# Allegro board RV1126B_mainboard.brd (continued)
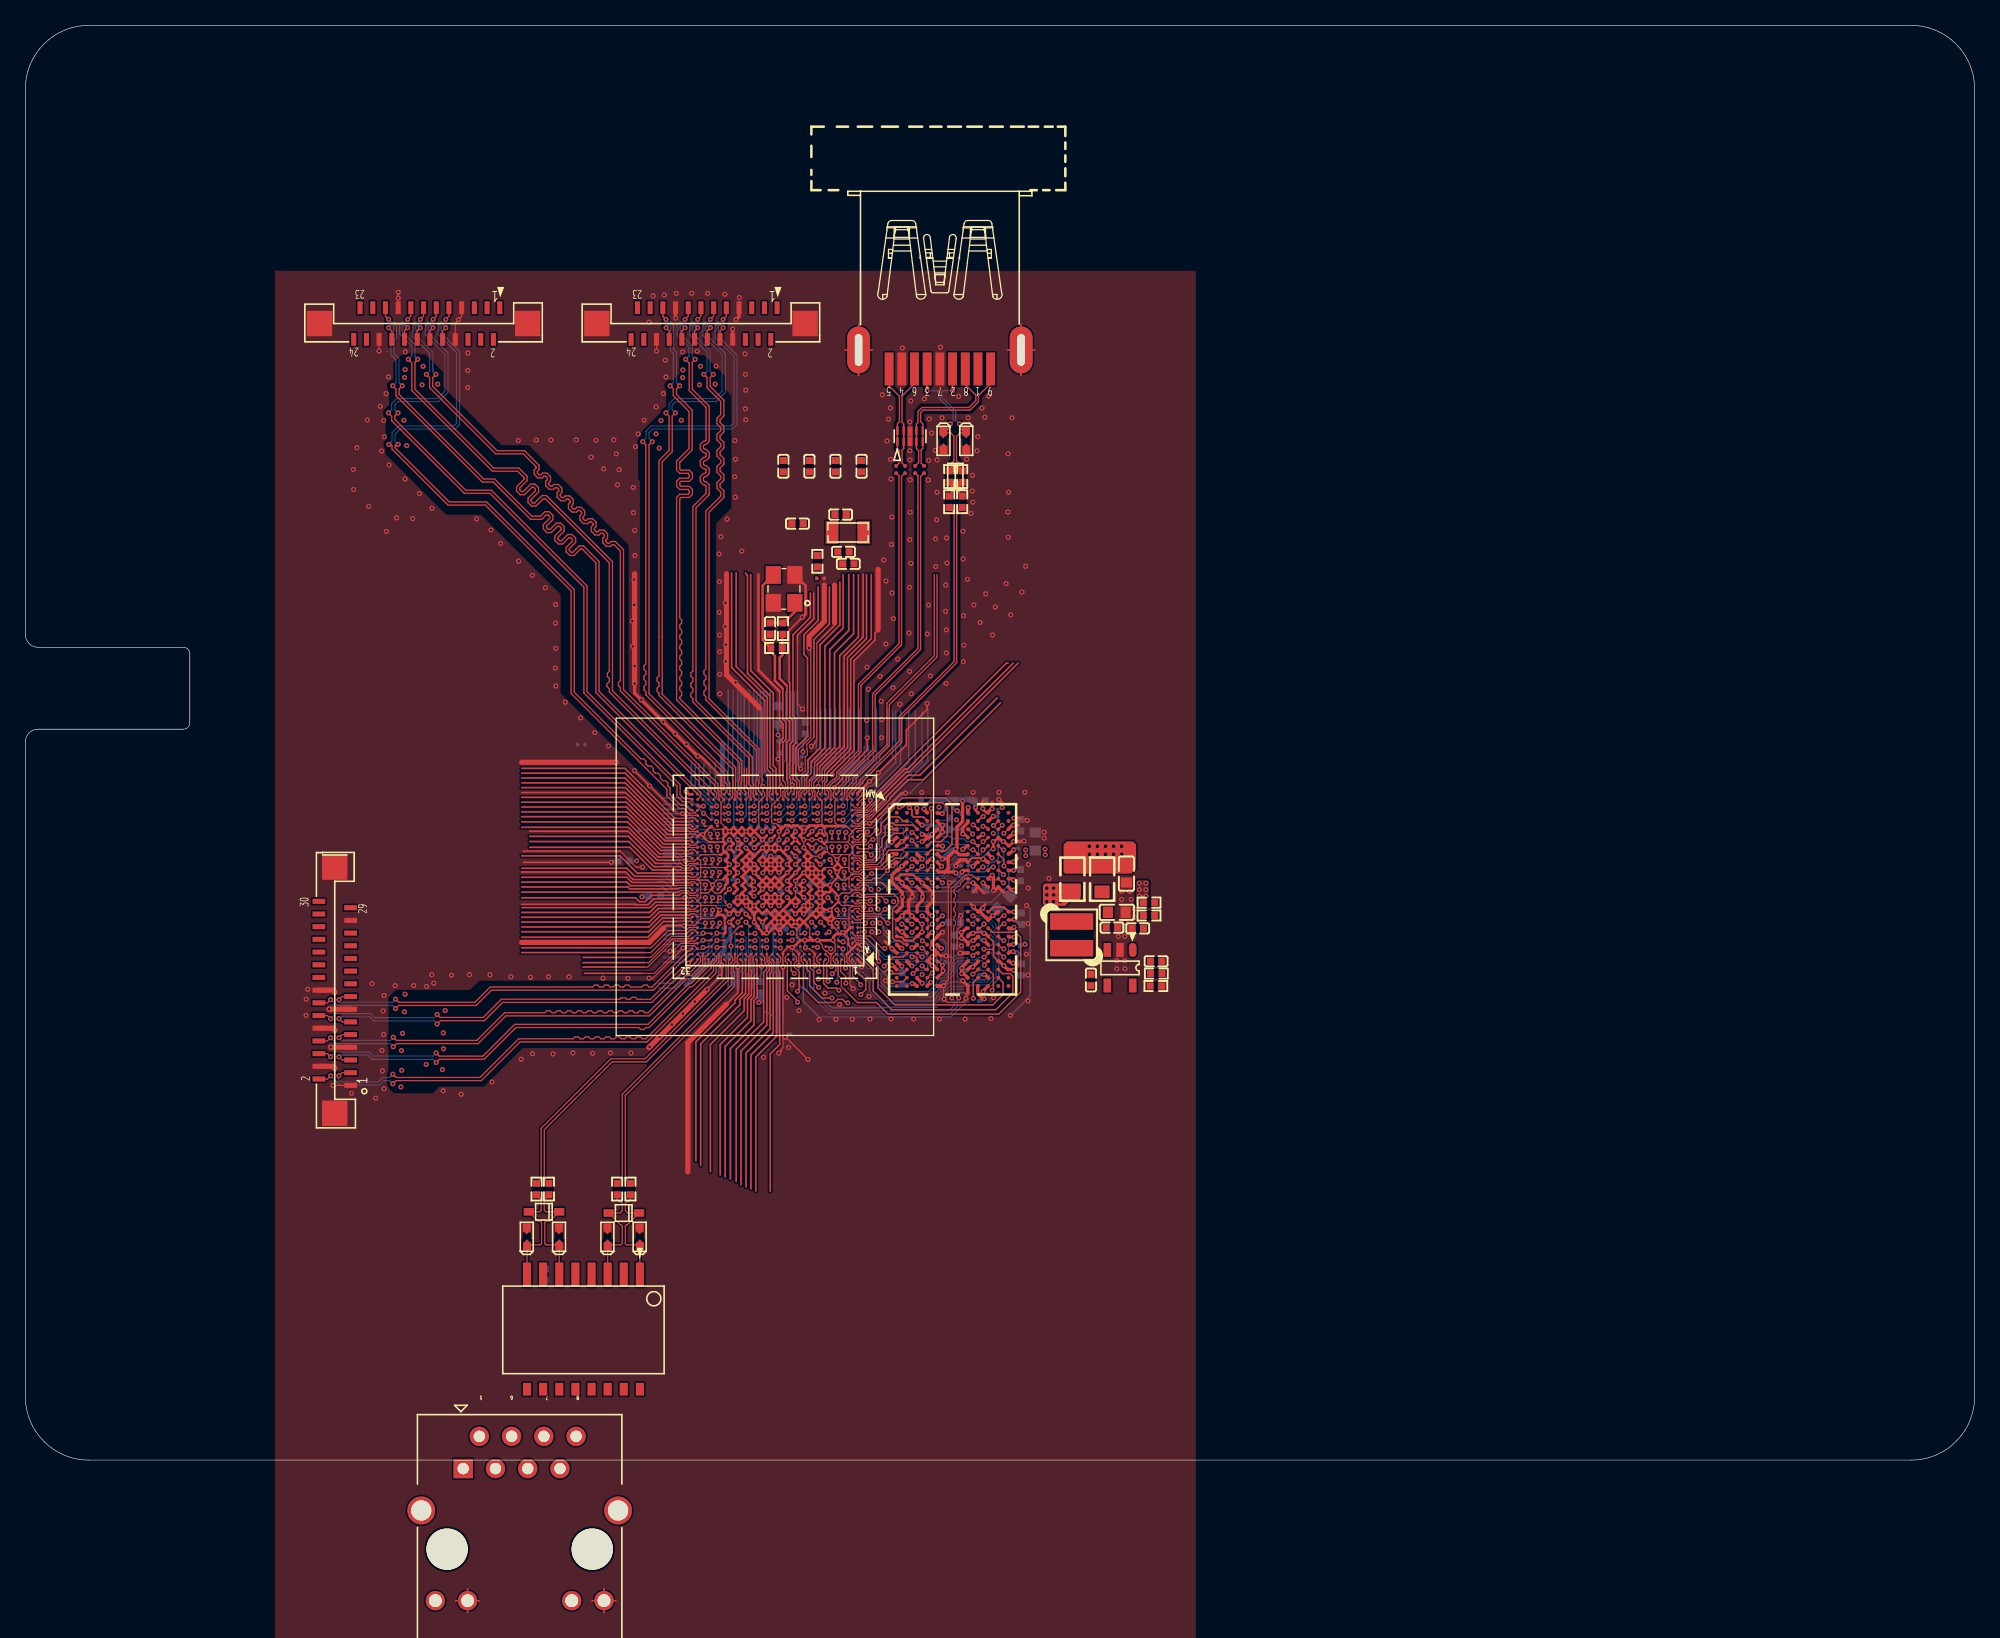
[diagram p0: board, top side]
## Routing (per net, layer and track width the routed paths; a pad name or vN(x,y) marks a point on that pad's centre or on a via; arc(x,y) is an arc through that point) (continued)
GMAC_TXD2_M1/LCDC_D21: length 4.1
  TOP w0.089: U1000.1D23 53.56,42 53.56,42.31 v1(53.55,42.32)
  BOTTOM w0.127: 50.26,41.39 52.04,41.39 52.97,42.32 v1(53.55,42.32)
GMAC_TXD3_M1/LCDC_D0: length 14.2
  TOP w0.089: 52.22,45.49 52.32,45.49 52.4,45.57 52.69,45.57 52.93,45.33 U1000.R31
  TOP w0.127: 39.08,45.92 47.36,45.92 47.77,45.52 52.19,45.52 52.22,45.49
GMAC_TXEN_M1/LCDC_D18: length 3.9
  TOP w0.089: v1(53.55,43.34) 53.55,43.33 53.52,43.3 U1000.1F23
  BOTTOM w0.089: 51.53,42.78 51.78,42.78 52.34,43.34 v1(53.55,43.34)
  BOTTOM w0.127: 51.53,42.78 50.26,42.78
GSENSOR_INT_H/LCDC_D5: length 13.6
  TOP w0.089: U1000.M32 52.41,43.97 52.22,43.97
  TOP w0.127: 39.08,43.53 49.19,43.53 49.62,43.97 52.22,43.97
HOST_WAKE_BT: length 19
  TOP w0.089: 59.15,38.34 59.15,38.44 59.13,38.46 59.13,39.21 59.23,39.31 U1000.A16
  TOP w0.127: 59.15,38.34 59.15,33.39 57.52,31.76 57.52,21.21
HOST_WAKE_WIFI: length 6.7
  TOP w0.089: v1(63.38,50.96) 63.38,50.96 U1000.1AB4
  BOTTOM w0.089: 64.58,53.23 64.55,53.2 64.55,52.76 63.74,51.94 63.74,51.32 v1(63.38,50.96)
  BOTTOM w0.114: 64.65,53.37 64.65,53.3 64.58,53.23
  BOTTOM w0.127: 66.05,56.25 66.05,55.15 64.65,53.75 64.65,53.37
I2C0_SCL_PMIC: length 10.9
  TOP w0.089: v1(59.38,50.4) 59.32,50.46 U1000.1AA12
  BOTTOM w0.089: 60.04,53.58 60.04,51.06 v1(59.38,50.4)
  BOTTOM w0.127: 60.27,60.56 60.27,55 60.04,54.77 60.04,53.58
I2C0_SDA_PMIC: length 10.3
  TOP w0.089: U1000.1AB12 59.38,50.96 v1(59.38,50.96)
  BOTTOM w0.089: 59.66,53.58 59.85,53.39 59.85,52.82 59.76,52.73 59.76,51.32 59.41,50.96 v1(59.38,50.96)
  BOTTOM w0.127: 59.89,60.56 59.89,55.17 59.66,54.94 59.66,53.58
I2C2_SCL_SENSOR: length 10.2
  TOP w0.089: U1000.1AA8 61.32,50.46 v1(61.38,50.4)
  BOTTOM w0.089: 62.7,53.45 62.77,53.38 62.77,52.89 61.94,52.05 61.94,50.96 v1(61.38,50.4)
  BOTTOM w0.127: 63.8,59.17 63.8,55.35 62.7,54.26 62.7,53.45
I2C2_SDA_SENSOR: length 8.8
  TOP w0.127: v1(62.38,51.53) 62.31,51.46 U1000.1AC6
  BOTTOM w0.089: v1(62.38,51.53) 62.38,51.98 62.95,52.55 62.95,53.46 63.07,53.58
  BOTTOM w0.127: 64.18,59.17 64.18,55.19 63.09,54.1 63.09,53.59 63.07,53.58
I2C3_SCL_CAM: length 4.6
  TOP w0.089: v1(53.93,49.32) 53.93,49.05 U1000.1V22
  BOTTOM w0.089: v1(53.93,49.32) 53.57,49.68 53.09,49.68 52.93,49.85
  BOTTOM w0.127: 50.26,50.55 52.22,50.55 52.93,49.85
I2C3_SDA_CAM: length 15
  TOP w0.089: 52.22,50.06 52.4,50.06 U1000.AF32
  TOP w0.127: 52.22,50.06 50.89,50.06 47.21,53.75 39.08,53.75
I2C5_SCL_M0/LCDC_D1: length 13.6
  TOP w0.089: U1000.R32 52.46,45.28 51.32,45.28 51.3,45.26
  TOP w0.127: 51.3,45.26 47.65,45.26 47.37,45.54 39.08,45.54
I2C5_SDA_M0/LCDC_D7: length 14.3
  TOP w0.089: 52.22,43.46 52.27,43.46 52.32,43.41 52.69,43.41 U1000.L31
  TOP w0.127: 39.08,42.77 49.15,42.77 49.84,43.46 52.22,43.46
I2S0_LRCK/DSM_AUD_LN: length 5
  TOP w0.089: U1000.1AB22 54.02,50.96 54.05,50.94 54.41,50.94 v1(54.43,50.96)
  BOTTOM w0.089: 54.08,51.71 54.09,51.7 54.09,51.39 54.43,51.05 v1(54.43,50.96)
  BOTTOM w0.127: 54.08,51.71 52.75,53.05 52.75,54.85
I2S0_MCLK: length 11.2
  TOP w0.089: U1000.1AA16 57.08,50.4 v1(57.38,50.4)
  BOTTOM w0.127: 57.37,60.69 57.37,53.2 58.01,52.56 58.01,51.03 v1(57.38,50.4)
I2S0_SCLK_TX: length 5.8
  TOP w0.089: v1(54.43,50.31) 54.43,50.3 54.43,50.3 54.43,50.05 U1000.1Y21
  BOTTOM w0.089: v1(54.43,50.31) 54.06,50.68 54.06,51.16 53.91,51.31 53.91,51.56 53.84,51.62
  BOTTOM w0.127: 53.84,51.62 52.44,53.02 52.44,54.85
I2S0_SDI0: length 10.6
  TOP w0.089: U1000.1AB16 57.02,50.96 57.03,50.96 v1(57.38,50.96)
  BOTTOM w0.127: v1(57.38,50.96) 57.41,50.96 57.75,51.3 57.75,52.44 56.99,53.2 56.99,60.69
I2S0_SDI1/DSM_AUD_RP: length 9.7
  TOP w0.089: v1(58.38,51.53) 58.31,51.46 U1000.1AC14
  BOTTOM w0.089: 58.13,53.58 58.42,53.29 58.42,51.61 58.38,51.56 v1(58.38,51.53)
  BOTTOM w0.127: 58.13,53.58 57.88,53.83 57.88,60.56
I2S0_SDI2/DSM_AUD_RN: length 10.4
  TOP w0.089: v1(58.38,50.96) 58.38,50.96 U1000.1AB14
  BOTTOM w0.089: 58.64,53.58 58.64,51.93 58.77,51.8 58.77,51.35 v1(58.38,50.96)
  BOTTOM w0.127: 58.64,53.58 58.13,54.09 58.13,60.56
I2S0_SDI3: length 11.1
  TOP w0.089: v1(58.38,50.4) 58.07,50.4 U1000.1AA14
  BOTTOM w0.089: v1(58.38,50.4) 59.02,51.04 59.02,51.93 58.89,52.05 58.89,53.58
  BOTTOM w0.127: 58.89,53.58 58.89,53.83 58.39,54.34 58.39,60.56
I2S0_SDO0/DSM_AUD_LP: length 4.3
  TOP w0.089: v1(54.43,51.53) 54.36,51.46 U1000.1AC22
  BOTTOM w0.127: 53.05,54.85 53.05,53.12 54.45,51.72 54.45,51.54 v1(54.43,51.53)
JTAG_TCK/UART2_TX: length 4.3
  TOP w0.089: v1(53.37,40.39) 53.66,40.39 53.73,40.46 U1000.1A22
  BOTTOM w0.089: 52,39.44 52.8,40.24 53.22,40.24 v1(53.37,40.39)
  BOTTOM w0.127: 50.26,39.23 51.78,39.23 52,39.44
JTAG_TMS/UART2_RX: length 4.3
  TOP w0.089: v1(53.37,40.95) 53.66,40.95 53.67,40.96 U1000.1B22
  BOTTOM w0.127: v1(53.37,40.95) 53.2,40.78 52.83,40.78 51.66,39.61 50.26,39.61
LED_PWM_IR: length 9.4
  TOP w0.089: U1000.1AB8 61.04,50.94 61.35,50.94 v1(61.38,50.96)
  BOTTOM w0.089: v1(61.38,50.96) 61.74,51.32 61.74,52.36 62.06,52.68 62.06,53.44
  BOTTOM w0.127: 62.06,53.44 62.35,53.73 62.35,54.41 63.42,55.47 63.42,59.17
LED_PWM_WHITE: length 9.4
  TOP w0.089: U1000.1AB10 60.04,50.94 60.35,50.94 v1(60.38,50.96)
  BOTTOM w0.089: 61.09,53.58 61.09,52.85 60.75,52.51 60.75,51.33 v1(60.38,50.96)
  BOTTOM w0.127: 61.09,53.58 61.09,53.74 61.59,54.24 61.59,55.13 62.3,55.84 62.3,59.17
LOGIC_PWM: length 10.1
  TOP w0.089: U1000.1AA10 60.32,50.46 v1(60.38,50.4)
  BOTTOM w0.089: v1(60.38,50.4) 60.4,50.4 61,51 61,52.38 61.41,52.79 61.41,53.58
  BOTTOM w0.127: 62.65,59.17 62.65,55.69 61.84,54.87 61.84,54.09 61.41,53.66 61.41,53.58
LP4_DM0_A: length 8
  TOP w0.089: U1000.W2 65.35,47.25 65.63,47.25 65.82,47.06 66.25,47.06 66.29,47.1 66.9,47.1 67.28,47.48 67.28,48.19 67.37,48.28
  TOP w0.114: U3300.C3 69.89,50.04 68.5,50.04 68.33,50.2 67.98,50.2 67.71,49.93 67.71,49.25 ; 67.44,48.98 67.44,48.36 67.37,48.28
  TOP w0.127: 67.71,49.25 67.44,48.98
LP4_DM0_B: length 13.5
  TOP w0.089: v1(66.58,43.39) 66.42,43.23 65.88,43.23 65.63,43.47 65.35,43.47 U1000.K2 ; U3300.Y3 v1(69.9,38.33)
  BOTTOM w0.089: 70.88,38.6 70.16,38.6 v1(69.9,38.33)
  BOTTOM w0.102: 71.24,39.32 71.56,39.32 71.77,39.53 71.77,39.84
  BOTTOM w0.114: 71.24,39.32 71.06,39.14 71.06,38.78 70.88,38.6 ; v1(66.58,43.39) 67.02,42.96 68.09,42.96 68.37,43.24 70.88,43.24 71.06,43.06 71.06,41.18 71.77,40.47 71.77,39.84
LP4_DM1_A: length 13.6
  TOP w0.089: U1000.1M1 64.48,46 v1(64.48,46.32)
  TOP w0.114: v1(75.42,49.93) 75.43,49.92 75.61,49.92 U3300.C10
  L6_S2 w0.089: v1(64.48,46.32) 64.71,46.32 65.27,46.87 66.87,46.87 68.03,48.03 72.53,48.03 72.74,48.24 72.74,48.75 73.68,49.69 74.95,49.69 75.19,49.93 v1(75.42,49.93)
LP4_DM1_B: length 16.1
  TOP w0.089: U1000.D2 65.35,40.95 65.63,40.95 65.67,40.92 65.99,40.92 66.34,40.57 66.34,40.17 v1(66.39,40.12)
  TOP w0.114: U3300.Y10 76.23,38.25 76.23,37.13 76.14,37.04 v1(76.14,37.02)
  L6_S2 w0.091: v1(66.39,40.12) 66.95,40.12 67.4,39.66 68.42,39.66 68.76,39.32 69.12,39.32 69.37,39.06 69.37,37.51 70.02,36.87 71.9,36.87 72.05,37.02 72.56,37.02 72.69,37.14 74.97,37.14 75.15,37.32 75.78,37.32 76.09,37.02 v1(76.14,37.02)
LP4_DQ0_A: length 7.2
  TOP w0.089: U1000.Y2 65.71,47.43 65.89,47.24 66.17,47.24 66.22,47.29 66.7,47.29 67.06,47.65 67.06,48.41 67.11,48.46 67.11,48.5
  TOP w0.114: U3300.B2 69.1,50.36 68.78,50.68 67.94,50.68 67.38,50.12 67.38,49.49 67.11,49.22 67.11,48.5
LP4_DQ0_B: length 14.9
  TOP w0.089: v1(67.15,44.05) 67.15,43.93 66.95,43.73 66.38,43.73 66.18,43.92 65.74,43.92 65.65,43.83 65.35,43.83 U1000.M2
  TOP w0.114: v1(68.29,37.68) 69.09,37.68 U3300.AA2
  L6_S2 w0.089: 66.45,38.08 67.11,37.42 68.03,37.42 v1(68.29,37.68) ; 65.36,38.83 64.84,39.35 64.84,42.61 65.37,43.14 65.37,43.8 65.97,44.39 66.8,44.39 v1(67.15,44.05)
  L6_S2 w0.091: 65.36,38.83 66.11,38.08 66.45,38.08
LP4_DQ1_A: length 5.8
  TOP w0.089: 67.65,48.13 67.56,48.04 67.56,47.38 67.1,46.92 66.36,46.92 66.33,46.89 65.65,46.89 U1000.W1
  TOP w0.114: U3300.C2 69.1,49.39 68.39,49.39 67.82,48.82 67.82,48.31 67.65,48.13
LP4_DQ1_B: length 11
  TOP w0.089: U1000.M1 65.58,44.12 66.47,44.12 66.53,44.06 v1(66.54,44.06)
  TOP w0.114: v1(68.17,38.41) 68.22,38.41 68.3,38.33 69.09,38.33 U3300.Y2
  L6_S2 w0.089: v1(66.54,44.06) 66.01,44.06 65.66,43.71 65.66,43.08 65.14,42.56 65.14,40.17 65.92,39.39 ; 66.45,38.86 66.85,38.47 68.12,38.47 v1(68.17,38.41)
  L6_S2 w0.091: 65.92,39.39 66.45,38.86
LP4_DQ2_A: length 5
  TOP w0.089: 67.47,46.91 67.3,46.75 66.44,46.75 66.4,46.71 65.65,46.71 U1000.V1
  TOP w0.114: U3300.E2 69.09,48.08 68.04,48.08 67.84,47.88 67.84,47.28 67.47,46.91
LP4_DQ2_B: length 13.4
  TOP w0.089: v1(67.78,44.05) 67.44,44.39 66.32,44.39 66.26,44.33 65.69,44.33 U1000.N1
  TOP w0.114: v1(67.63,38.92) 68.34,39.63 69.09,39.63 U3300.V2
  L6_S2 w0.089: 66.2,39.67 65.45,40.42 65.45,42.5 65.98,43.04 67.86,43.04 68.06,43.24 68.06,43.77 v1(67.78,44.05) ; 66.45,39.42 66.95,38.92 v1(67.63,38.92)
  L6_S2 w0.091: 66.2,39.67 66.45,39.42
LP4_DQ3_A: length 5
  TOP w0.089: U1000.V2 65.35,46.35 65.63,46.35 65.82,46.53 66.48,46.53 66.51,46.57 67.51,46.57 67.61,46.67
  TOP w0.114: 67.61,46.67 68.17,47.23 68.27,47.23 68.46,47.42 69.08,47.42 U3300.F2
LP4_DQ3_B: length 8.6
  TOP w0.089: 67.76,44.58 66.21,44.58 66.16,44.53 65.83,44.53 65.64,44.73 65.35,44.73 U1000.N2
  TOP w0.114: 67.76,44.58 68.4,44.58 68.72,44.26 68.72,43.85 68.29,43.42 68.29,41.13 68.48,40.94 68.86,40.94 69.15,40.66 69.37,40.66 U3300.U2
LP4_DQ4_A: length 14.4
  TOP w0.089: U1000.AE1 65.6,49.59 65.9,49.59 66.13,49.83 66.7,49.83 67.02,50.15 67.02,50.28
  TOP w0.114: U3300.F4 71.34,48.08 71.95,48.08 72.04,47.99 72.42,47.99 72.97,48.54 72.97,51.67 72.46,52.18 69.06,52.18 68.42,51.55 68.42,51.39 68.13,51.11 67.85,51.11 67.02,50.28
LP4_DQ4_B: length 7.6
  TOP w0.089: U3300.U4 70.74,40.89 70.66,40.89 v1(70.64,40.91) ; U1000.H2 65.16,42.34 66.12,42.34 v1(66.15,42.31)
  BOTTOM w0.114: 68.55,41.51 68.55,42.53 68.37,42.71 66.51,42.71 66.15,42.34 v1(66.15,42.31) ; v1(70.64,40.91) 70.64,40.93 70.36,41.21
  BOTTOM w0.127: 68.55,41.51 68.85,41.21 70.36,41.21
LP4_DQ5_A: length 12.5
  TOP w0.089: U1000.AD1 65.76,49.34 66.16,49.34 v1(66.31,49.49)
  TOP w0.114: U3300.E4 71.35,48.74 72.11,48.74 72.61,49.24 72.61,51.42 72.23,51.8 69.46,51.8 69.11,51.45 v1(68.83,51.45)
  L6_S2 w0.089: v1(66.31,49.49) 67.85,51.04 68.42,51.04 v1(68.83,51.45)
LP4_DQ5_B: length 7.5
  TOP w0.089: v1(67.3,42.31) 66.94,42.68 65.86,42.68 65.75,42.57 65.35,42.57 U1000.J2
  TOP w0.114: U3300.V4 70.65,40.32 70.64,40.32 v1(70.62,40.35)
  BOTTOM w0.114: v1(70.62,40.35) 70.49,40.35 70,40.84 68.2,40.84 67.57,41.47 67.57,42.04 v1(67.3,42.31)
LP4_DQ6_A: length 9.6
  TOP w0.089: v1(67.01,49.65) 66.52,49.16 65.92,49.16 65.63,48.87 65.35,48.87 65.11,49.11 U1000.AD2
  TOP w0.127: U3300.C4 71.34,50.03 v1(71.34,51.34)
  L6_S2 w0.089: 69.45,51.74 69.26,51.55 69.26,51.39 68.52,50.66 68.01,50.66 v1(67.01,49.65) ; 71.02,51.74 71.34,51.42 v1(71.34,51.34)
  L6_S2 w0.091: 71.02,51.74 70.99,51.78 69.49,51.78 69.45,51.74
LP4_DQ6_B: length 12.5
  TOP w0.089: U1000.J1 65.58,42.86 67.34,42.86 67.51,42.69
  TOP w0.114: U3300.Y4 70.89,38.66 70.62,38.93 v1(70.62,38.94)
  TOP w0.127: 67.51,42.69 67.89,42.31 v1(67.92,42.31)
  L6_S2 w0.089: v1(70.62,38.94) 70.36,38.94 69.99,39.3 69.66,39.3 69.4,39.57 68.91,39.57 68.52,39.95 67.57,39.95 67.02,40.5 66.64,40.5 65.75,41.39 65.75,42.42 66.04,42.71 67.48,42.71 67.87,42.31 v1(67.92,42.31)
LP4_DQ7_A: length 7.8
  TOP w0.089: U1000.AC2 65.98,48.69 66.07,48.78 v1(66.07,48.83)
  TOP w0.127: U3300.B4 70.7,50.68 69.94,50.68 69.82,50.81 69.82,51.22 v1(69.61,51.42)
  L6_S2 w0.089: v1(66.07,48.83) 66.18,48.83 66.62,49.26 67.1,49.26 68.12,50.28 68.6,50.28 69.61,51.29 v1(69.61,51.42)
LP4_DQ7_B: length 13
  TOP w0.089: v1(67.71,43.4) 67.67,43.4 67.31,43.04 65.73,43.04 U1000.K1
  TOP w0.114: U3300.AA4 71.39,38.38 v1(71.42,38.38)
  BOTTOM w0.089: 72.1,39.82 72.48,40.2
  BOTTOM w0.114: 72.48,40.2 72.48,40.75 72.23,41.01 71.98,41.01 71.79,41.2 71.79,43.11 71.28,43.62 68.24,43.62 68.02,43.4 v1(67.71,43.4) ; 72.1,39.82 72.1,39.38 71.79,39.06 71.79,38.78 71.42,38.41 v1(71.42,38.38)
LP4_DQ8_A: length 15.8
  TOP w0.089: 67.07,45.51 65.71,45.51 U1000.R1
  TOP w0.114: v1(76.24,50) 76.26,50 U3300.B11 ; 67.07,45.51 67.44,45.51 v1(67.98,44.98)
  BOTTOM w0.114: v1(67.98,44.98) 68.58,44.98 68.74,45.13 73.18,45.13 74.41,46.37 75.56,46.37 75.79,46.59 75.79,46.85 76.04,47.1 76.29,47.1 76.61,47.42 76.61,49.58 76.24,49.95 v1(76.24,50)
LP4_DQ8_B: length 16.1
  TOP w0.114: U3300.AA11 76.99,37.64 76.99,36.68 76.18,35.87 68.48,35.87 67.15,37.2 67.15,38.85 65.88,40.11 65.71,40.11 U1000.C1
LP4_DQ9_A: length 17.4
  TOP w0.089: v1(63.35,46.34) 63.35,46.13 U1000.1M3
  TOP w0.114: v1(76.93,50.02) U3300.C11
  L6_S2 w0.089: v1(76.93,50.02) 76.65,49.74 76.65,48.09 76.35,47.8 75.72,47.8 75.63,47.71 69.18,47.71 68.78,47.31 68.21,47.31 67.47,46.57 65.6,46.57 64.86,45.83 63.86,45.83 v1(63.35,46.34)
LP4_DQ9_B: length 18.3
  TOP w0.114: U1000.B1 66.77,38.63 66.77,36.94 68.22,35.49 76.43,35.49 77.76,36.82 77.76,38.13 77.55,38.33 76.95,38.33 U3300.Y11
LP4_DQ10_A: length 15.7
  TOP w0.089: v1(66.6,44.98) 66.25,45.32 65.88,45.32 65.64,45.09 65.35,45.09 U1000.R2
  TOP w0.114: U3300.E11 76.94,48.08
  TOP w0.127: 76.94,48.08 v1(77.02,48.08)
  BOTTOM w0.089: v1(66.6,44.98) 66.6,44.9 66.89,44.61 68.29,44.61
  BOTTOM w0.114: 68.29,44.61 68.72,44.61 68.93,44.82 73.45,44.82 74.59,45.96 75.71,45.96 75.96,45.7 76.42,45.7 76.66,45.95 76.66,46.99 77.02,47.34 v1(77.02,48.08)
LP4_DQ10_B: length 19.5
  TOP w0.089: 65.37,38.85 65.37,39.14 65.11,39.4 U1000.A2
  TOP w0.114: v1(65.79,36.69) 66.18,37.08 66.18,37.78 65.37,38.59 65.37,38.85 ; v1(77.04,39.63) 76.72,39.96 U3300.V11
  L6_S2 w0.091: v1(65.79,36.69) 65.79,36.65 66.61,35.83 71.69,35.83 71.85,35.67 76.47,35.67 77.04,36.24 77.04,38.1 76.7,38.44 76.7,39.29 v1(77.04,39.63)
LP4_DQ11_A: length 16.9
  TOP w0.089: U1000.1H1 64.63,44.07 v1(64.63,44.32)
  TOP w0.114: v1(77.06,46.82) 77.06,47.32 U3300.F11
  BOTTOM w0.089: v1(64.63,44.32) 64.63,44.33 64.72,44.42 68.56,44.42 68.69,44.29 68.69,44.2
  BOTTOM w0.114: 68.69,44.2 68.94,43.95 76.07,43.95 77.44,45.32 77.44,46.47 77.08,46.82 v1(77.06,46.82)
LP4_DQ11_B: length 19.4
  TOP w0.089: U1000.B2 64.87,39.63 64.87,39.35 65.14,39.08 65.14,38.14 65.75,37.53 65.75,37.48 v1(65.78,37.45)
  TOP w0.114: U3300.U11 76.94,40.28 v1(77.04,40.28)
  L6_S2 w0.091: v1(65.78,37.45) 66.13,37.45 67.41,36.17 71.9,36.17 72.1,35.98 76.29,35.98 76.6,36.28 76.6,37.91 76.32,38.19 76.32,39.58 77.02,40.28 v1(77.04,40.28)
LP4_DQ12_A: length 12.2
  TOP w0.089: v1(66.64,46.22) 66.52,46.22 66.17,45.86 65.77,45.86 65.64,45.99 65.35,45.99 U1000.T2
  TOP w0.114: v1(74.62,48.08) 74.69,48.08 U3300.F9
  BOTTOM w0.089: 68.31,46.33 68.31,46.32 68.1,46.12 66.76,46.12 66.66,46.22 v1(66.64,46.22)
  BOTTOM w0.114: 68.31,46.33 68.66,46.68 68.66,46.96 68.93,47.23 68.93,47.67 69.19,47.94 71.23,47.94 72.03,48.74 72.62,48.74 72.85,48.51 73.96,48.51 74.38,48.08 v1(74.62,48.08)
LP4_DQ12_B: length 14.2
  TOP w0.089: U3300.U9 74.88,40.61 74.63,40.35 v1(74.62,40.35) ; v1(67.22,41.62) 66.88,41.96 65.54,41.96 U1000.G1
  L6_S2 w0.089: v1(74.62,40.35) 74.63,40.35 75.02,40.75 75.02,41.62 74.77,41.87 74.41,41.87 74.13,42.15 74.13,42.28 74.01,42.4 73.63,42.4 72.74,43.29 68.93,43.29 68.65,43.01 68.65,41.74 68.04,41.13 67.71,41.13 v1(67.22,41.62)
LP4_DQ13_A: length 12.5
  TOP w0.089: v1(67.89,46.45) 67.89,46.44 67.28,45.83 66.77,45.83 66.62,45.69 65.59,45.69 U1000.T1
  TOP w0.114: v1(74.62,48.73) 74.94,48.41 U3300.E9
  BOTTOM w0.114: v1(74.62,48.73) 74.13,48.73 73.9,48.96 73.04,48.96 72.86,49.13 71.91,49.13 71.01,48.23 69.04,48.23 68.85,48.04 68.02,48.04 67.4,47.43 67.4,46.92 67.88,46.45 v1(67.89,46.45)
LP4_DQ13_B: length 16.4
  TOP w0.089: v1(74.62,39.75) 74.83,39.96 U3300.V9 ; v1(66.09,41.63) 65.61,41.63 U1000.F1
  L6_S2 w0.089: v1(74.62,39.75) 75,40.14 75,40.35 75.24,40.59 75.75,40.59 75.91,40.75 75.91,41.64 75.7,41.86 75.29,41.86 75.02,42.12 75.02,42.99 74.77,43.24 74.44,43.24 74.01,43.67 68.8,43.67 68.29,43.16 68.29,42.11 68.15,41.97 66.43,41.97 v1(66.09,41.63)
LP4_DQ14_A: length 16.4
  TOP w0.089: U1000.1H3 63.52,44 v1(63.2,44.32)
  TOP w0.114: 74.71,50.02 U3300.C9
  TOP w0.127: v1(74.64,50.05) 74.67,50.02 74.71,50.02
  L6_S2 w0.089: v1(63.2,44.32) 63.2,44.34 63.2,44.47 62.98,44.69 62.98,46.49 63.33,46.84 64.6,46.84 64.97,47.2 66.74,47.2 67.86,48.32 68.37,48.32 68.42,48.37 71.09,48.37 71.78,49.06 72.31,49.06 73.27,50.02 74.62,50.02 v1(74.64,50.05)
LP4_DQ14_B: length 12.4
  TOP w0.089: v1(67.68,40.32) 67.49,40.32 66.51,41.29 65.89,41.29 65.88,41.31 65.35,41.31 U1000.F2
  TOP w0.114: U3300.Y9 74.65,38.29 v1(74.61,38.29)
  L6_S2 w0.089: v1(74.61,38.29) 74.59,38.29 74.15,38.73 74.15,39.08 73.94,39.29 72.48,39.29 72.42,39.35 71.91,39.35 71.85,39.29 70.39,39.29 70.2,39.48 70.2,39.77 69.94,40.02 69.6,40.02 69.44,39.86 69,39.86 68.6,40.27 68.6,40.45 68.37,40.68 67.96,40.68 67.68,40.4 67.68,40.33 v1(67.68,40.32)
LP4_DQ15_A: length 13.3
  TOP w0.089: U1000.1P1 64.49,46.99 v1(64.49,47.32)
  TOP w0.114: v1(75.42,50.71) 75.39,50.68 75.34,50.68 U3300.B9
  L6_S2 w0.089: v1(75.42,50.71) 75.39,50.71 75.29,50.81 72.71,50.81 72.48,50.58 69.61,50.58 67.06,48.02 65.91,48.02 65.37,47.48 64.65,47.48 v1(64.49,47.32)
LP4_DQ15_B: length 14.8
  TOP w0.089: U1000.E2 65.75,41.13 65.77,41.11 66.2,41.11 67.2,40.12 v1(67.2,39.3)
  TOP w0.114: v1(74.64,36.38) 74.64,37.63 U3300.AA9
  L6_S2 w0.091: v1(74.64,36.38) 74.26,36.76 72.79,36.76 72.71,36.69 72.1,36.69 71.98,36.56 69.69,36.56 68.93,37.32 68.93,37.83 68.65,38.11 68.65,39.05 68.34,39.35 67.25,39.35 v1(67.2,39.3)
LP4_DQS0N_A: length 7.3
  TOP w0.097: U1000.AA1 65.61,47.93 66.37,47.93 v1(66.62,47.68) ; U3300.E3 70.22,48.41 v1(69.82,48.81)
  BOTTOM w0.089: v1(66.62,47.68) 66.62,47.84 66.72,47.94 67.28,47.94 67.5,48.16 67.5,49.07 67.65,49.22 68.35,49.22 68.77,49.64 68.77,49.73 68.86,49.82 69.06,49.82 69.15,49.73 69.15,49.24 69.37,49.02 69.73,49.02 69.82,48.93 v1(69.82,48.81)
LP4_DQS0N_B: length 10.1
  TOP w0.089: U1000.1F2 64.02,43.2 63.92,43.31 v1(63.92,43.35)
  TOP w0.097: v1(70.62,39.65) 70.54,39.65 70.24,39.96 U3300.V3
  BOTTOM w0.089: v1(63.92,43.35) 64.02,43.35 64.34,43.02 64.95,43.02 65.53,42.44 65.53,41.32 65.94,40.91 66.17,40.91 67.62,39.46 69.54,39.46 69.69,39.3 69.94,39.3 70.29,39.65 v1(70.62,39.65)
LP4_DQS0P_A: length 7.3
  TOP w0.097: U1000.AB1 65.62,48.18 66.37,48.18 v1(66.57,48.37) ; v1(69.82,49.46) 69.87,49.46 70.22,49.11 U3300.D3
  BOTTOM w0.089: v1(66.57,48.37) 66.57,48.25 66.66,48.16 67.19,48.16 67.28,48.25 67.28,49.16 67.56,49.44 68.26,49.44 68.55,49.73 68.55,49.82 68.77,50.04 69.15,50.04 69.37,49.82 69.37,49.34 69.46,49.25 69.73,49.25 69.82,49.34 v1(69.82,49.46)
LP4_DQS0P_B: length 9.9
  TOP w0.089: U1000.1F1 64.52,43.27 64.48,43.31 v1(64.48,43.35)
  TOP w0.097: U3300.W3 70.26,39.35 70.26,39.49 70.03,39.73 69.89,39.73 v1(69.82,39.65)
  BOTTOM w0.089: v1(69.82,39.65) 69.66,39.81 69.51,39.81 69.38,39.68 69.24,39.68 69.11,39.81 68.93,39.81 68.8,39.68 68.29,39.68 68.14,39.84 68.01,39.84 67.86,39.68 67.71,39.68 66.26,41.13 66.03,41.13 65.75,41.41 65.75,42.53 65.32,42.96 65.32,43.09 65.12,43.29 64.99,43.29 64.86,43.42 64.86,43.71 64.78,43.8 64.57,43.8 64.48,43.71 v1(64.48,43.35)
LP4_DQS1N_A: length 14.1
  TOP w0.089: U1000.1K2 64.02,45.2 63.92,45.31 v1(63.92,45.32)
  TOP w0.114: U3300.E10 75.49,48.08 v1(75.42,48.08)
  BOTTOM w0.089: v1(63.92,45.32) 64.26,44.97 65.46,44.97 65.98,45.49 68.39,45.49 68.92,46.01 72.22,46.01 72.83,46.63 72.83,46.88 73.34,47.39 74.93,47.39 75.28,47.74 75.28,47.94 v1(75.42,48.08)
LP4_DQS1N_B: length 18
  TOP w0.089: v1(63.92,42.32) 63.94,42.29 63.94,42.28 64.02,42.2 U1000.1D2 ; U3300.V10 75.52,39.66 75.52,39.65 v1(75.5,39.63)
  BOTTOM w0.089: v1(63.92,42.32) 64.01,42.32 64.34,42.65 64.62,42.65 64.96,42.31 64.96,41.35 65.37,40.94 65.37,40.24 67.38,38.24 67.38,37.6 68.04,36.94 71.16,36.94 71.75,37.53 71.75,37.67 72.09,38.01 72.53,38.01 72.99,38.47 72.99,39.2 73.35,39.56 74.19,39.56 74.33,39.42 74.8,39.42 74.98,39.6 75.47,39.6 v1(75.5,39.63)
LP4_DQS1P_A: length 13.9
  TOP w0.089: v1(64.48,45.32) 64.48,45.31 64.41,45.24 64.41,45.05 64.5,44.96 U1000.1K1
  TOP w0.114: v1(75.42,48.73) 75.49,48.73 U3300.D10
  BOTTOM w0.089: v1(75.42,48.73) 75.17,48.49 75.17,48.49 75.05,48.37 75.05,47.83 74.84,47.61 73.25,47.61 72.61,46.97 72.61,46.72 72.13,46.24 68.83,46.24 68.3,45.71 65.89,45.71 65.37,45.2 64.6,45.2 v1(64.48,45.32)
LP4_DQS1P_B: length 17.9
  TOP w0.089: U1000.1D1 64.52,42.27 64.48,42.31 v1(64.48,42.32) ; v1(75.52,39) 75.52,39.09 75.74,39.31
  TOP w0.097: 75.74,39.31 U3300.W10
  BOTTOM w0.089: v1(64.48,42.32) 64.65,42.32 64.74,42.23 64.74,42.15 64.61,42.02 64.61,41.89 64.74,41.77 64.74,41.26 65.15,40.85 65.15,40.15 66.23,39.07 66.23,38.85 66.33,38.75 66.55,38.75 66.67,38.63 66.67,38.43 66.8,38.31 66.99,38.31 67.16,38.14 67.16,37.51 67.95,36.72 71.26,36.72 71.98,37.44 71.98,37.58 72.18,37.79 72.63,37.79 73.22,38.37 73.22,39.11 73.44,39.33 74.09,39.33 74.23,39.19 74.9,39.19 75.08,39.38 75.28,39.38 75.52,39.13 v1(75.52,39)
LPDDR4_A0_A: length 20.2
  TOP w0.102: 62.53,38.6 62.53,39.15 62.33,39.35 62.33,39.61 U1000.B8
  TOP w0.114: U3300.H2 69.49,46.46 v1(69.82,46.78)
  TOP w0.127: 62.53,38.6 62.53,38.54 v1(62.48,38.49)
  L4_S1 w0.091: v1(69.82,46.78) 69.45,46.42 69.18,46.42 68.67,45.91 68.67,45.04 68.24,44.61 65.55,44.61 64.76,43.83 63.31,43.83 62.59,43.1 62,43.1 60.77,41.87 60.77,39.33 60.55,39.1 60.55,38.82 60.19,38.47 60.19,38.19 60.42,37.96 61.94,37.96 v1(62.48,38.49)
LPDDR4_A0_B: length 11.5
  TOP w0.089: U1000.1A4 63.26,40.46 v1(63.43,40.29)
  TOP w0.127: U3300.R2 69.09,42.23 v1(69.02,42.23)
  L4_S1 w0.089: 68.65,42.06 68.56,42.15 68.37,42.15 68.28,42.24 68.28,42.43 68.38,42.53 68.93,42.53 69.02,42.44 v1(69.02,42.23)
  L4_S1 w0.091: 68.65,42.06 68.65,41.35 68.56,41.26 65.88,41.26 65.75,41.39 65.75,41.51 65.63,41.64 65.5,41.64 65.32,41.46 65.32,41.34 65.38,41.27 65.38,41.14 65.25,41.02 65.13,41.02 65.06,41.08 64.93,41.08 64.74,40.88 64.74,40.75 64.99,40.5 64.99,40.24 64.74,39.99 64.74,39.83 64.65,39.74 63.36,39.74 63.27,39.83 63.27,40.12 v1(63.43,40.29)
LPDDR4_A1_A: length 19.4
  TOP w0.089: v1(63.29,41.62) 63.13,41.46 U1000.1C4
  TOP w0.127: U3300.J2 69.74,45.48 v1(69.82,45.48)
  L4_S1 w0.091: v1(63.29,41.62) 62.92,41.62 62.83,41.71 62.83,41.89 62.7,42.02 62.45,42.02 62.27,42.2 62.27,42.61 62.45,42.78 62.83,42.78 62.98,42.94 63.36,42.94 63.45,42.84 63.45,42.75 63.54,42.66 63.72,42.66 63.81,42.75 63.81,42.9 63.91,42.99 64.14,42.99 64.23,42.9 64.23,42.77 64.32,42.68 64.64,42.68 64.83,42.49 64.95,42.49 65.09,42.63 65.09,42.78 64.84,43.04 64.84,43.52 64.99,43.67 65.15,43.67 65.24,43.58 65.24,43.04 65.37,42.91 65.53,42.91 65.63,43 65.63,43.8 65.5,43.93 65.5,44.18 65.73,44.41 68.55,44.41 68.88,44.74 69.1,44.74 69.19,44.83 69.19,45.04 69.28,45.14 69.46,45.14 69.55,45.04 69.55,44.83 69.64,44.74 70.11,44.74 70.2,44.65 70.2,44.31 70.72,43.78 71,43.78 71.09,43.87 71.09,44.56 70.71,44.94 70.57,44.94 70.03,45.48 v1(69.82,45.48)
LPDDR4_A1_B: length 11.4
  TOP w0.089: v1(64.58,38.77) 64.51,38.84 64.51,39.63 U1000.B4
  TOP w0.127: U3300.P2 69.74,42.23 v1(69.82,42.23)
  L4_S1 w0.091: v1(69.82,42.23) 70.07,42.23 70.25,42.06 70.25,41.44 69.94,41.13 69.56,41.13 69.11,40.68 68.8,40.68 68.65,40.52 68.65,39.96 68.55,39.86 67.53,39.86 67.33,40.07 67.33,40.57 67.23,40.68 66.45,40.68 65.47,39.7 65.47,38.87 65.37,38.77 v1(64.58,38.77)
LPDDR4_A2_A: length 32.6
  TOP w0.089: v1(59.46,40.35) 59.4,40.41 59.07,40.41 U1000.1A12
  TOP w0.114: v1(75.42,46.73) 75.29,46.73 U3300.H9
  L4_S1 w0.091: v1(59.46,40.35) 60.16,39.64 60.16,38.87 59.83,38.54 59.83,37.14 60.37,36.61 61.41,36.61 62.53,35.49 75.17,35.49 75.89,36.21 75.89,36.56 75.79,36.66 75.79,37.58 76.07,37.86 76.07,42.5 75.81,42.76 75.81,45.81 75.42,46.2 v1(75.42,46.73)
LPDDR4_A2_B: length 24.1
  TOP w0.089: U1000.A4 64.2,39.38 64.2,38.49 64.61,38.08 v1(64.61,37.58)
  TOP w0.114: v1(75.5,42.24) 75.5,42.24 75.17,41.91 U3300.R9
  L6_S2 w0.089: v1(75.5,42.24) 75.49,42.24 75.4,42.33 75.4,43.01 75.05,43.37 75.05,43.77 74.82,44 68.93,44 68.3,44.63 65.82,44.63 65.12,43.93 65.12,43.24 64.56,42.68 63.21,42.68 62.96,42.43 62.96,42.06 63.05,41.97 63.77,41.97 64.03,41.72 64.03,38.8 64.48,38.34
  L6_S2 w0.091: v1(64.61,37.58) 64.48,37.7 64.48,38.34
LPDDR4_A3_A: length 32.3
  TOP w0.089: U1000.B14 59.83,39.63 59.83,39.31 60,39.14 60,38.59
  TOP w0.114: v1(60.8,36.08) 60.8,36.18 60,36.98 60,38.59 ; U3300.H10 76.04,46.68 76.14,46.68 76.19,46.73 v1(76.22,46.73)
  L4_S1 w0.091: v1(60.8,36.08) 61.16,36.08 62.12,35.11 75.46,35.11 76.73,36.38 76.73,38.8 76.47,39.05 76.47,42.58 76.53,42.64 76.53,44.58 76.57,44.63 76.57,45.04 76.48,45.14 76.48,46.43 76.22,46.68 v1(76.22,46.73)
LPDDR4_A3_B: length 25.2
  TOP w0.089: 64.55,37.03 64.25,37.32 64.25,37.93 64.01,38.18 64.01,39.29 U1000.A5
  TOP w0.114: U3300.R10 75.84,41.91 76.16,41.59 78,41.59 78.38,41.21 78.38,36.87 76.65,35.14 67.94,35.14 67.02,36.05 65.52,36.05 64.55,37.03
LPDDR4_A4_A: length 34.3
  TOP w0.089: U1000.1B12 59.07,40.91 59.45,40.91 v1(59.46,40.91)
  TOP w0.114: v1(77.02,46.13) 76.69,46.46 U3300.H11
  L6_S2 w0.091: v1(59.46,40.91) 59.9,40.47 59.9,40.36 60.79,39.48 61.18,39.48 61.63,39.04 61.63,36.88 63.37,35.14 76.9,35.14 78.35,36.59 78.35,43.27 77.44,44.18 77.44,45.72 v1(77.02,46.13)
